# KiCad board FC_V5b.kicad_pcb (continued)
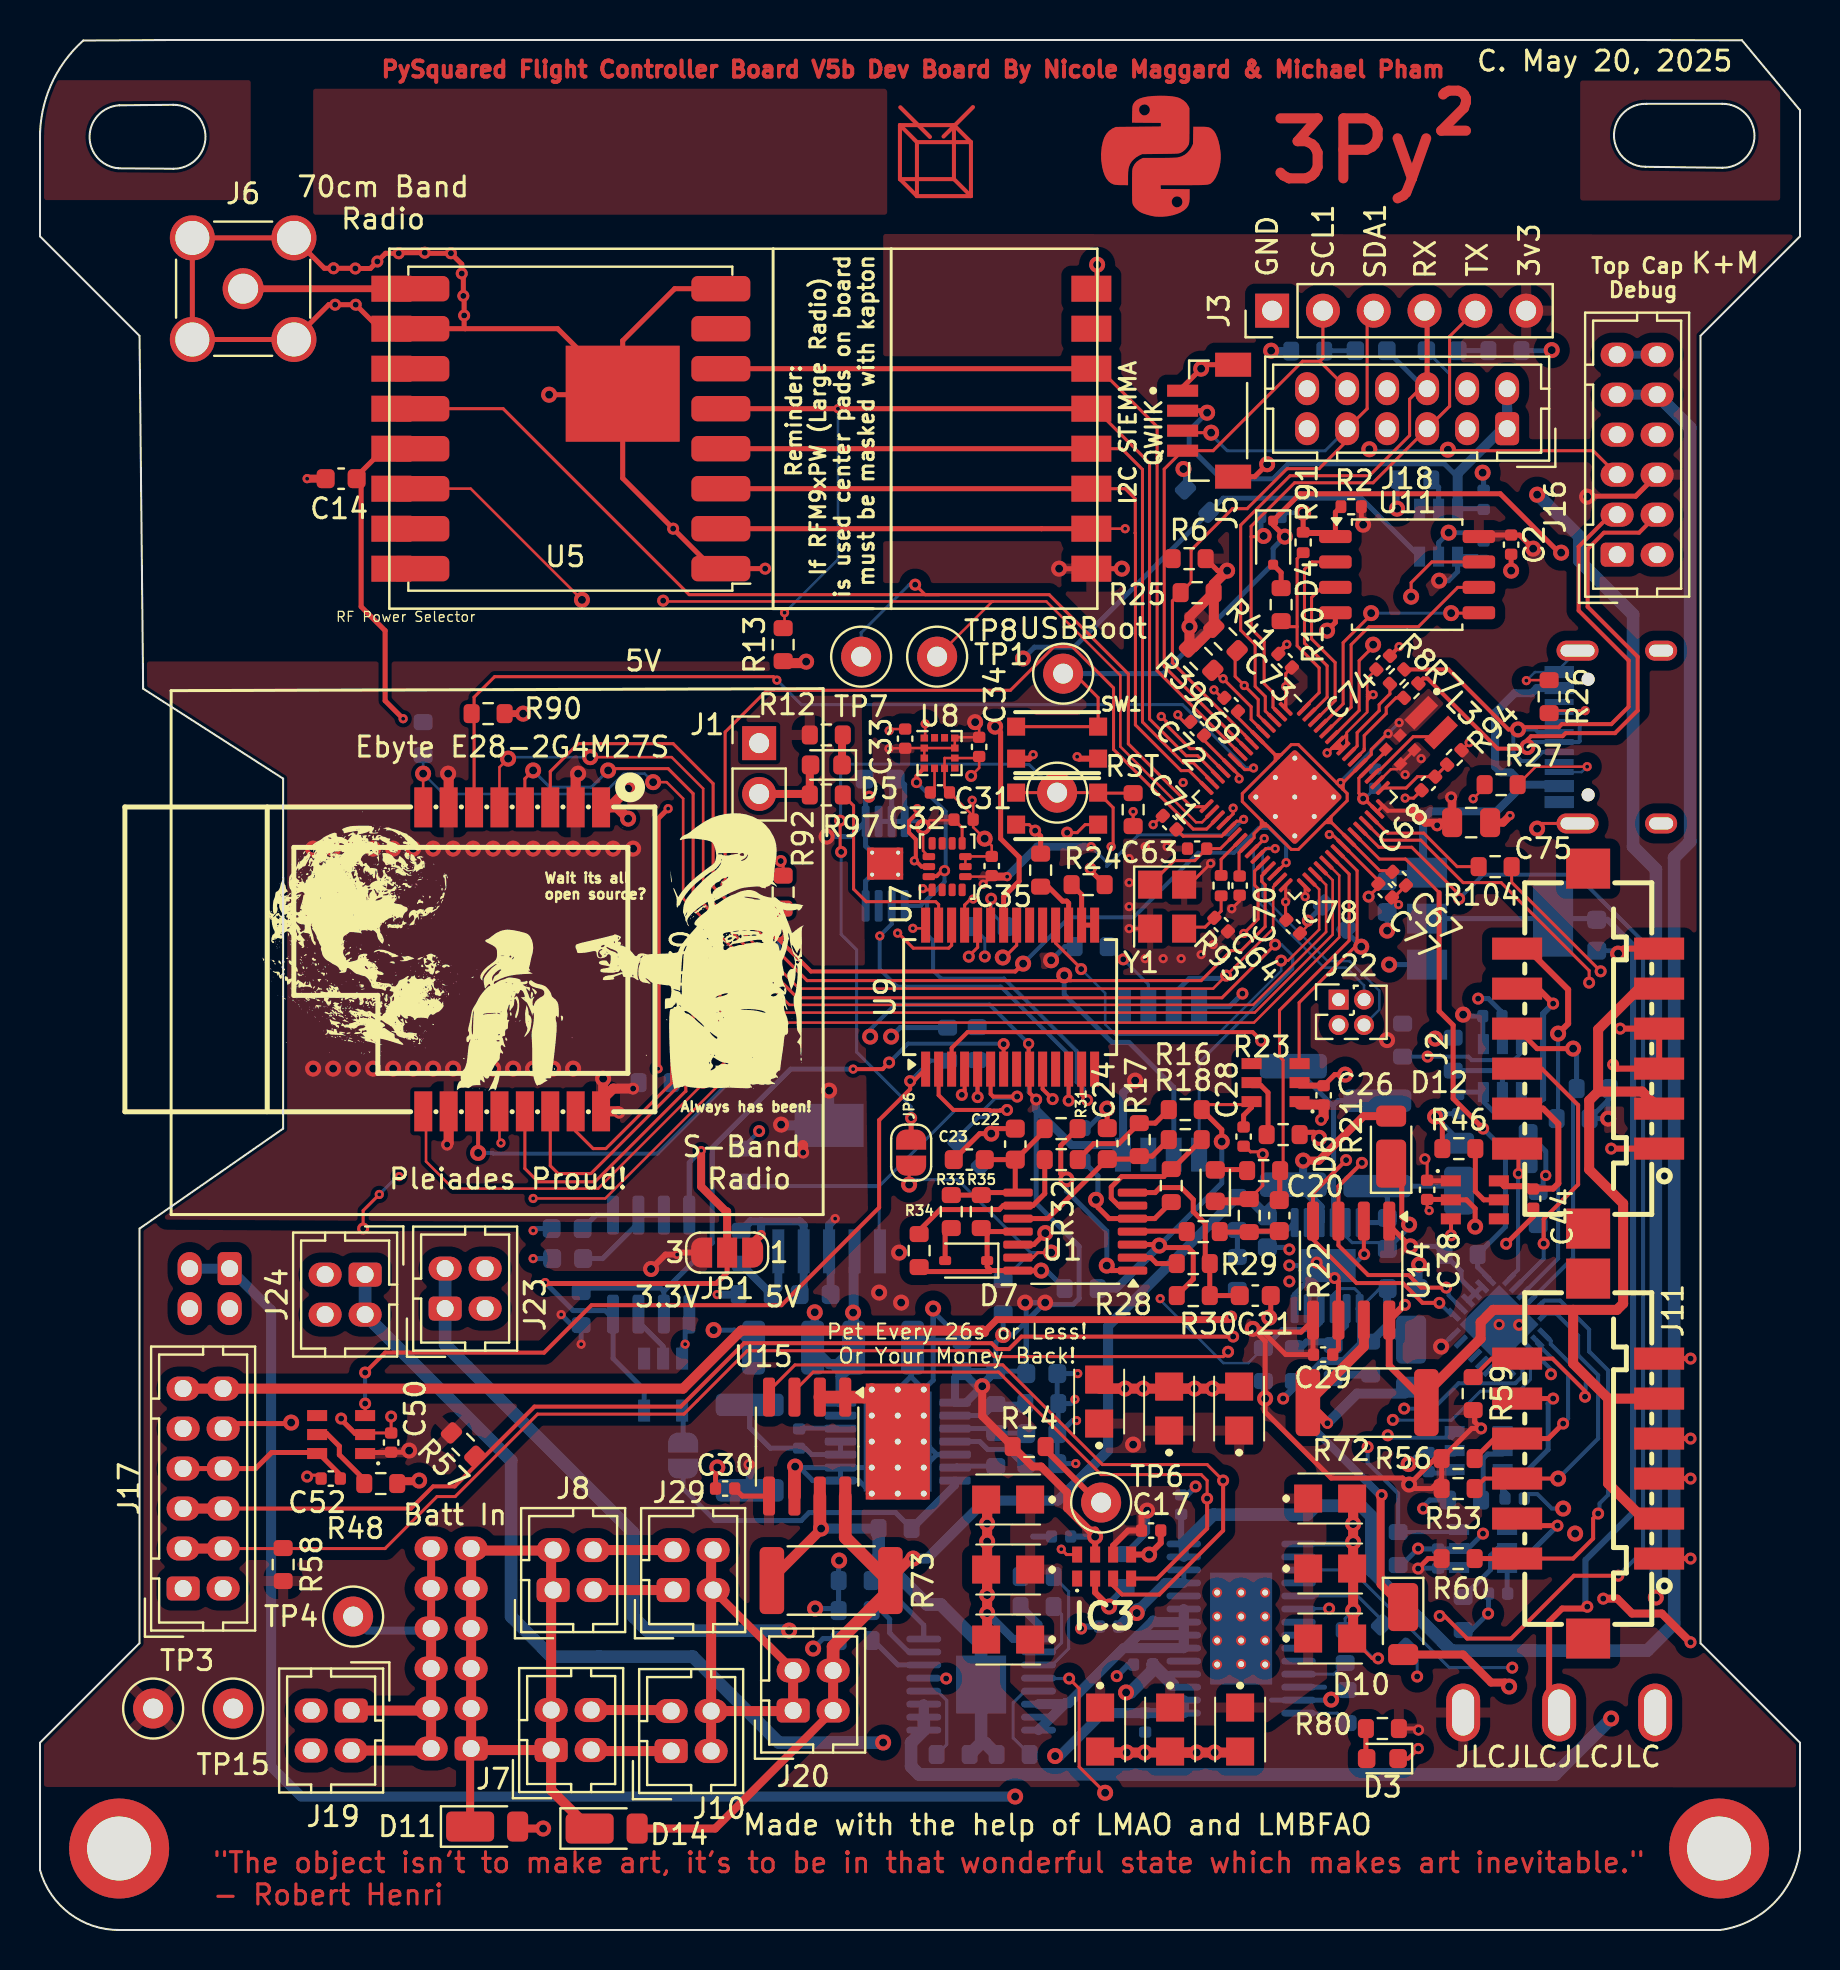
[diagram p0: board, top side]
## Library data of the parts (continued)
J2 J11 = -: LCSC Part: C17223851
J3 = -: ki_fp_filters: Connector*:*_1x??_*
J5 = -: MANUFACTURER: JST Sales America Inc.; MAXIMUM_PACKAGE_HEIGHT: 6.3 mm; PARTREV: N/A; STANDARD: Manufacturer Recommendations
J6 = -: LCSC: C3174425; ki_fp_filters: *BNC* *SMA* *SMB* *SMC* *Cinch* *LEMO*
J7 J8 J10 J19-J21 J23 J24 J29 = -: Description: Generic connector, double row, 02x02, odd/even pin numbering scheme (row 1 odd numbers, row 2 even numbers), script generated (kicad-library-utils/schlib/autogen/connector/); LCSC: C2692098; ki_fp_filters: Connector*:*_2x??_*
J12 = -: Datasheet: https://www.usb.org/sites/default/files/documents/usb_type-c.zip; Description: USB 2.0-only 16P Type-C Receptacle connector; ki_fp_filters: USB*C*Receptacle*
J14 J16 = -: Description: Generic connector, double row, 02x06, odd/even pin numbering scheme (row 1 odd numbers, row 2 even numbers), script generated (kicad-library-utils/schlib/autogen/connector/); ki_fp_filters: Connector*:*_2x??_*
J17 J18 = -: Description: Generic connector, double row, 02x06, odd/even pin numbering scheme (row 1 odd numbers, row 2 even numbers), script generated (kicad-library-utils/schlib/autogen/connector/); LCSC: C506658; ki_fp_filters: Connector*:*_2x??_*
J22 = -: Description: Generic connector, double row, 02x02, odd/even pin numbering scheme (row 1 odd numbers, row 2 even numbers), script generated (kicad-library-utils/schlib/autogen/connector/); ki_fp_filters: Connector*:*_2x??_*
JP1 = -: Description: Vertical Header - 0.1in (2.54mm); DNI: DNI; ki_fp_filters: Jumper* TestPoint*3Pads* TestPoint*Bridge*
JP2 JP6 = -: ki_fp_filters: SolderJumper*Open*
L1 = -: Description: 3.3uH Shielded Inductor; Flight: SPM5030T-3R3M-HZ; Manufacturer_Name: TAI-TECH; Manufacturer_Part_Number: HPC5040NF-3R3MTH; Proto: HPC5040NF-3R3MTH; ki_fp_filters: Choke_* *Coil* Inductor_* L_*
L2 = -: Datasheet: https://datasheet.lcsc.com/szlcsc/1910111502_3L-COILS-SNR5040K-330M_C326321.pdf; Description: 33uH Shielded Inductor; Flight: SLF6028T-330MR69-PF; Manufacturer_Name: 3L COILS; Manufacturer_Part_Number: SNR5040K-330M; Proto: SNR5040K-330M; ki_fp_filters: Choke_* *Coil* Inductor_* L_*
L3 = -: LCSC: C42411119; ki_fp_filters: Choke_* *Coil* Inductor_* L_*
R1 R5 R6 R11 R14 R24 R25 R39 R41 R42 R44 R45 R52 R53 R56-R62 R90 = -: Description: 100K 0603; LCSC: C25804
R2 = -: LCSC: C25744; ki_fp_filters: R_*
R3 R4 R10 R12 = -: Description: 100K 0603; LCSC: C21190
R7 R8 = -: Description: USB Termination Resistor
R9 = -: ki_fp_filters: R_*
R13 = -: Description: 10k 0603; LCSC: C25804
R15 R70 = -: Description: 100K 0603; LCSC: C25804; ki_fp_filters: R_*
R16-R18 R22 R28 R124 = -: Description: 10 kOhms ±1% 0.1W, 1/10W Chip Resistor 0603 (1608 Metric) Automotive AEC-Q200 Thick Film; DPN: RMCF0603FT10K0CT-ND; DST: Digi-Key; MFR: Stackpole Electronics Inc; MPN: RMCF0603FT10K0; LCSC: C25804; ki_fp_filters: R_*
R19-R21 = -: Description: 3 kOhms ±1% 0.1W, 1/10W Chip Resistor 0603 (1608 Metric) Automotive AEC-Q200 Thick Film; DPN: RMCF0603FT3K00CT-ND; DST: Digi-Key; MFR: Stackpole Electronics Inc; MPN: RMCF0603FT3K00; ki_fp_filters: R_*
R23 R46-R51 = -: Description: 47 kOhms ±1% 0.1W, 1/10W Chip Resistor 0603 (1608 Metric) Automotive AEC-Q200 Thick Film; DPN: RMCF0603FT47K0CT-ND; DST: Digi-Key; MFR: Stackpole Electronics Inc; MPN: RMCF0603FT47K0; LCSC: C25819; ki_fp_filters: R_*
R26 R27 = -: Description: 5.1k 0603; LCSC: C23186
R29 R31 = -: Description: 1 kOhms ±1% 0.1W, 1/10W Chip Resistor 0603 (1608 Metric) Automotive AEC-Q200 Thick Film; DPN: RMCF0603FT1K00CT-ND; DST: Digi-Key; MFR: Stackpole Electronics Inc; MPN: RMCF0603FT1K00; LCSC: C21190; ki_fp_filters: R_*
R30 R32-R34 R36 R37 = -: Description: 100 kOhms ±5% 0.1W, 1/10W Chip Resistor 0603 (1608 Metric) Automotive AEC-Q200 Thick Film; DPN: RMCF0603FT100KCT-ND; DST: Digi-Key; MFR: Stackpole Electronics Inc; MPN: RMCF0603FT100K; LCSC: C25803; ki_fp_filters: R_*
R35 = -: Description: 4.7 MOhms ±1% 0.1W, 1/10W Chip Resistor 0603 (1608 Metric) Automotive AEC-Q200 Thick Film; DPN: RMCF0603FT4M70CT-ND; DST: Digi-Key; MFR: Stackpole Electronics Inc; MPN: RMCF0603FT4M70; ki_fp_filters: R_*
R38 = -: Description: 73.2K 0603
R40 = -: Description: 22.1K 0603
R43 = -: Description: 100K 0603
R54 R55 R82 R85 = -: Description: 15k 0603; LCSC: C22809
R63 R89 = -: Description: 10K 0603; LCSC: C25804; ki_fp_filters: R_*
R64 = -: Description: 3.3K 0603; ki_fp_filters: R_*
R65 = -: Description: 200K 0603; ki_fp_filters: R_*
R66-R68 R76-R80 R86 R92 R95-R97 = -: Description: 787K 0603; LCSC: C25803
R69 R71 R74 R75 = -: Description: 787K 0603
R72 R73 = -: Description: 0.1 1% 2W 2512
R81 = -: Description: 1k 0603; LCSC: C21190
R83 R84 = -: Description: 10k 0603
R91 = -: LCSC: C17168; ki_fp_filters: R_*
R93 = -: LCSC: C11702; ki_fp_filters: R_*
R94 = -: LCSC: C25105; ki_fp_filters: R_*
R100 R103 R104 = -: Description: 4.7K 0603; LCSC: C23162
R101 = -: Description: 100K 0603; LCSC: C25803
R102 = -: Description: 1K 0603; LCSC: C21190
SW3 = -: Datasheet: https://wmsc.lcsc.com/wmsc/upload/file/pdf/v2/lcsc/2108201830_SHOU-HAN-SS12D10G4-071_C2887259.pdf; Description: Momentary Switch, single pole double throw
TP1-TP4 TP6-TP8 TP15 = -: ki_fp_filters: Pin* Test*
U1 = -: Datasheet: https://www.ti.com/lit/ds/symlink/tlv1704-sep.pdf; Description: Analog Comparators 2.2-V to 36-V, radiation tolerant microPower quad comparator in space enhanced plastic 14-TSSOP -55 to 125; MFR: Texas Instruments; MPN: TLV1704AQPWRQ1; DST: Digi-Key; DPN: 296-43799-2-ND; ki_fp_filters: SOIC*3.9x8.7mm*P1.27mm* TSSOP*4.4x5mm*P0.65mm*
U2 = -: Description: http://www.zettadevice.com/upload/file/pdf/Zetta%20SD%20Nand%20DS.pdf; LCSC Part: C2875854
U3 U19 U21-U24 U29 = -: LCSC: C1511768
U4 = -: Description: 433 MHz 1W Radio; Manufacturer_Name: HopeRF; Field8: RADIO 2
U5 = -: DNI: DNI
U6 = -: Datasheet: https://lcsc.com/product-detail/New-Arrivals_Texas-Instruments-Texas-Instruments-TPS4H160AQPWPRQ1_C485918.html; Description: Quad channel automotive load switch; LCSC Part: C485918
U7 = -: Datasheet: https://www.st.com/resource/en/datasheet/lsm6dso.pdf; ki_fp_filters: LGA-14L_2P5X3X0P86_STM LGA-14L_2P5X3X0P86_STM-M LGA-14L_2P5X3X0P86_STM-L
U8 = -: Datasheet: https://www.st.com/resource/en/datasheet/lis2mdl.pdf; ki_fp_filters: SON_03AGRTR_STM SON_03AGRTR_STM-M SON_03AGRTR_STM-L
U9 = -: Datasheet: https://ww1.microchip.com/downloads/aemDocuments/documents/APID/ProductDocuments/DataSheets/MCP23017-Data-Sheet-DS20001952.pdf; Description: 16-bit I/O expander, I2C, interrupts, w pull-ups, SSOP-28; LCSC: C558584; ki_fp_filters: SSOP*5.3x10.2mm*P0.65mm*
U10 = -: Datasheet: https://www.ti.com/lit/gpn/tps54226; Description: 3.3V Switching Regulator; Flight: TPS54226PWPR; Manufacturer_Name: Texas Instruments; Manufacturer_Part_Number: TPS54226PWPR; Proto: TPS54226PWPR
U11 = -: Datasheet: http://www.winbond.com/resource-files/w25q128jv_dtr%20revc%2003272018%20plus.pdf; LCSC: C97521; ki_fp_filters: SOIC*5.23x5.23mm*P1.27mm*
U12 = -: MF: Texas Instruments; Description_1: Automotive 8-channel 1.65- to 5.25v I2C/SMBus switch with reset & voltage translation; COPYRIGHT: Copyright (C) 2024 Ultra Librarian. All rights reserved.; Package: VQFN-24 Texas Instruments; Price: None; Check_prices: https://www.snapeda.com/parts/TCA9548ARGERQ1/Texas+Instruments/view-part/?ref=eda; Availability: In Stock; SnapEDA_Link: https://www.snapeda.com/parts/TCA9548ARGERQ1/Texas+Instruments/view-part/?ref=snap; MFR_NAME: Texas Instruments
U13 = -: Datasheet: https://www.ti.com/lit/gpn/tps7a45; Description: Adjustable LDO; Manufacturer_Name: Texas Instruments
U14 U15 = -: Datasheet: http://www.ti.com/lit/ds/symlink/ina219.pdf; ki_fp_filters: SOIC*3.9x4.9mm*P1.27mm*
U16 = -: Datasheet: http://ww1.microchip.com/downloads/en/DeviceDoc/MCP9808-0.5C-Maximum-Accuracy-Digital-Temperature-Sensor-Data-Sheet-DS20005095B.pdf; ki_fp_filters: DFN*1EP*3x2mm*P0.5mm*
U17 = -: Datasheet: https://www.ti.com/lit/ds/symlink/lmc555.pdf; Description: CMOS Timer, 555 compatible, SOIC-8; ki_fp_filters: SOIC*3.9x4.9mm*P1.27mm*
U18 = -: Datasheet: https://datasheets.raspberrypi.com/rp2350/rp2350-datasheet.pdf; LCSC: C42411118
U20 = -: Datasheet: https://www.ti.com/lit/ds/symlink/sn74lvc1g04.pdf; Description: Single NOT Gate, Low-Voltage CMOS; ki_fp_filters: SOT?23* Texas?R-PDSO-G5?DCK* Texas?R-PDSO-N5?DRL* Texas?X2SON*0.8x0.8mm*P0.48mm*
U25 = -: Datasheet: https://www.ti.com/lit/ds/symlink/tps2hb50-q1.pdf?ts=1747428220473&ref_url=https%253A%252F%252Fwww.ti.com%252Fproduct%252FTPS2HB50-Q1%252Fpart-details%252FTPS2HB50AQPWPRQ1%253FkeyMatch%253DTPS2HB50AQPWPRQ1%2526tisearch%253Duniversal_search%2526usecase%253DOPN; LCSC Part: C1857514
U30 = -: Datasheet: https://lcsc.com/product-detail/Wireless-Modules_Chengdu-Ebyte-Elec-Tech-E28-2G4M27S_C411312.html; LCSC Part: C411312
Y1 = -: LCSC: C20625731; ki_fp_filters: Crystal*

## Footprints (pads in the part's own frame, mm; a bottom-side part is the same pattern mirrored in y, then rotated)
BTN_KMR2_4.6X2.8
  rect 0.9x0.9 smd: A(2.05,0.8) A'(-2.05,0.8) B(2.05,-0.8) B'(-2.05,-0.8)
C_0402_1005Metric
  rrect 0.56x0.62 smd: 1(-0.48,0) 2(0.48,0)
C_0402_1005Metric_small_pads
  rect 0.47x0.53 smd: 1(-0.515,0) 2(0.515,0)
C_0603_1608Metric
  rrect 0.9x0.95 smd: 1(-0.775,0) 2(0.775,0)
C_0805_2012Metric
  rrect 1x1.45 smd: 1(-0.95,0) 2(0.95,0)
C_1210_3225Metric
  rrect 1.15x2.7 smd: 1(-1.475,0) 2(1.475,0)
CONN-SMD_12P-P2.00_DF11CZ-12DP
  rect 1.1x2.5 smd: 1(-5,-3.55) 2(-5,3.55) 3(-3,-3.55) 4(-3,3.55) 5(-1,-3.55) 6(-1,3.55) 7(1,-3.55) 8(1,3.55) 9(3,-3.55) 10(3,3.55) 11(5,-3.55) 12(5,3.55)
  rect 2x2.2 smd: 13(9,0) 14(-9,0)
CPH3225A
  rect 1.4x1.4 smd: 1(-0.8,0.3) 2(1.4,0.3)
Crystal_SMD_3225-4Pin_3.2x2.5mm
  rect 1.4x1.2 smd: 1(-1.1,-0.85) 2(1.1,-0.85) 3(1.1,0.85) 4(-1.1,0.85)
D_PowerDI-123
  rrect 2.4x1.5 smd: 1(-0.85,0)
  rrect 1.05x1.5 smd: 2(1.525,0)
D_SOD-323
  rrect 0.6x0.45 smd: 1(-1.05,0) 2(1.05,0)
D_SOD-323F
  rrect 0.5x0.5 smd: 1(-1.1,0) 2(1.1,0)
Hirose_DF11-4DP-2DSA_2x02_P2.00mm_Vertical
  rrect 1.2x1.65 hole 0.85: 1(0,0)
  oval 1.2x1.65 hole 0.85: 2(0,-2) 3(2,0) 4(2,-2)
Hirose_DF11-12DP-2DSA_2x06_P2.00mm_Vertical
  rrect 1.2x1.65 hole 0.85: 1(0,0)
  oval 1.2x1.65 hole 0.85: 2(0,-2) 3(2,0) 4(2,-2) 5(4,0) 6(4,-2) 7(6,0) 8(6,-2) 9(8,0) 10(8,-2) 11(10,0) 12(10,-2)
HOPERF_RFM9XW_SMD
  rrect 2.95x1.27 smd: 1(-7.525,7) 2(-7.525,5) 3(-7.525,3) 4(-7.525,1) 5(-7.525,-1) 6(-7.525,-3) 7(-7.525,-5) 8(-7.525,-7) 9(7.525,-7) 10(7.525,-5) 11(7.525,-3) 12(7.525,-1) 13(7.525,1) 14(7.525,3) 15(7.525,5) 16(7.525,7)
HTSSOP-14-1EP_4.4x5mm_P0.65mm_EP3.4x5mm_Mask3x3.1mm_ThermalVias
  rrect 1.21x1.25 smd: (-0.75,-0.775) (-0.75,0.775) (0.75,-0.775) (0.75,0.775)
  rect 3x3.1 smd: (0,0)
  rrect 1.575x0.4 smd: 1(-2.862,1.95) 2(-2.862,1.3) 3(-2.862,0.65) 4(-2.862,0) 5(-2.862,-0.65) 6(-2.862,-1.3) 7(-2.862,-1.95) 8(2.862,-1.95) 9(2.862,-1.3) 10(2.862,-0.65) 11(2.862,0) 12(2.862,0.65) 13(2.862,1.3) 14(2.862,1.95)
  round 0.6 hole 0.3: 15(-1.3,-2.6) 15(-1.3,-1.3) 15(-1.3,0) 15(-1.3,1.3) 15(-1.3,2.6) 15(0,-2.6) 15(0,-1.3) 15(0,0) 15(0,1.3) 15(0,2.6) 15(1.3,-2.6) 15(1.3,-1.3) 15(1.3,0) 15(1.3,1.3) 15(1.3,2.6)
  rect 3.2x5.8 smd far side: 15(0,0)
  rect 3.4x5 smd: 15(0,0)
HTSSOP-16_L5.0-W4.4-P0.65-LS6.4-BL-EP-2
  oval 0.34x1.75 smd: 1(-2.28,-2.87) 2(-1.63,-2.87) 3(-0.98,-2.87) 4(-0.32,-2.87) 5(0.33,-2.87) 6(0.98,-2.87) 7(1.63,-2.87) 8(2.28,-2.87) 9(2.28,2.87) 10(1.63,2.87) 11(0.98,2.87) 12(0.33,2.87) 13(-0.32,2.87) 14(-0.98,2.87) 15(-1.63,2.87) 16(-2.28,2.87)
  rect 2.9x2.5 smd: 17(0,0)
HTSSOP-28_L9.7-W4.4-P0.65-LS6.4-BL-EP
  oval 0.34x1.73 smd: 1(-4.23,-2.87) 2(-3.58,-2.87) 3(-2.93,-2.87) 4(-2.28,-2.87) 5(-1.63,-2.87) 6(-0.98,-2.87) 7(-0.32,-2.87) 8(0.33,-2.87) 9(0.98,-2.87) 10(1.63,-2.87) 11(2.28,-2.87) 12(2.93,-2.87) 13(3.58,-2.87) 14(4.23,-2.87) 15(4.23,2.87) 16(3.58,2.87) 17(2.93,2.87) 18(2.28,2.87) 19(1.63,2.87) 20(0.98,2.87) 21(0.33,2.87) 22(-0.32,2.87) 23(-0.98,2.87) 24(-1.63,2.87) 25(-2.28,2.87) 26(-2.93,2.87) 27(-3.58,2.87) 28(-4.23,2.87)
  round 0.5 hole 0.3: 29(-1.8,-1.2) 29(-1.8,0) 29(-1.8,1.2) 29(-0.6,-1.2) 29(-0.6,0) 29(-0.6,1.2) 29(0.6,-1.2) 29(0.6,0) 29(0.6,1.2) 29(1.78,0) 29(1.8,-1.2) 29(1.8,1.2)
  rect 5.6x3.1 smd: 29(0,0)
JST_BM04B-SRSS-TB(LF)(SN)
  rect 0.6x1.55 smd: 1(-1.5,-2.525) 2(-0.5,-2.525) 3(0.5,-2.525) 4(1.5,-2.525)
  rect 1.2x1.8 smd: S1(-2.8,0) S2(2.8,0)
L_1812_4532Metric
  rrect 1.125x3.4 smd: 1(-2.138,0) 2(2.138,0)
L_pol_2016
  rect 0.7x1.7 smd: 1(-0.7,0) 2(0.7,0)
LED_0603_1608Metric
  rrect 0.875x0.95 smd: 1(-0.788,0) 2(0.788,0)
LGA-8_L8.0-W6.0-P1.27-TL-1
  rect 1.7x0.8 smd: 1(-3.7,1.91) 2(-3.7,0.64) 3(-3.7,-0.63) 4(-3.7,-1.9) 5(3.7,-1.9) 6(3.7,-0.63) 7(3.7,0.64) 8(3.7,1.91)
LGA-12_2x2mm_P0.5mm
  rect 0.375x0.35 smd: 1(-0.762,0.75) 2(-0.762,0.25) 3(-0.762,-0.25) 4(-0.762,-0.75) 7(0.762,-0.75) 8(0.762,-0.25) 9(0.762,0.25) 10(0.762,0.75)
  rect 0.35x0.375 smd: 5(-0.25,-0.762) 6(0.25,-0.762) 11(0.25,0.762) 12(-0.25,0.762)
LGA-14_3x2.5mm_P0.5mm_LayoutBorder3x4y
  rrect 0.625x0.35 smd: 1(-1.163,0.75) 2(-1.163,0.25) 3(-1.163,-0.25) 4(-1.163,-0.75) 8(1.163,-0.75) 9(1.163,-0.25) 10(1.163,0.25) 11(1.163,0.75)
  rrect 0.35x0.625 smd: 5(-0.5,-0.912) 6(0,-0.912) 7(0.5,-0.912) 12(0.5,0.912) 13(0,0.912) 14(-0.5,0.912)
MSOP-8-1EP_3x3mm_P0.65mm_EP1.5x1.8mm_ThermalVias
  rrect 0.63x0.75 smd: (-0.375,-0.45) (-0.375,0.45) (0.375,-0.45) (0.375,0.45)
  rrect 1.575x0.4 smd: 1(-2.112,0.975) 2(-2.112,0.325) 3(-2.112,-0.325) 4(-2.112,-0.975) 5(2.112,-0.975) 6(2.112,-0.325) 7(2.112,0.325) 8(2.112,0.975)
  round 0.5 hole 0.2: 9(-0.55,-0.65) 9(-0.55,0.65) 9(0.55,-0.65) 9(0.55,0.65)
  rect 1.5x1.8 smd: 9(0,0)
  rect 1.6x1.8 smd far side: 9(0,0)
MSOP-12-1EP_3x4mm_P0.65mm_EP1.65x2.85mm
  rrect 0.67x1.15 smd: (-0.41,-0.71) (-0.41,0.71) (0.41,-0.71) (0.41,0.71)
  rrect 1.45x0.4 smd: 1(-2.15,1.625) 2(-2.15,0.975) 3(-2.15,0.325) 4(-2.15,-0.325) 5(-2.15,-0.975) 6(-2.15,-1.625) 7(2.15,-1.625) 8(2.15,-0.975) 9(2.15,-0.325) 10(2.15,0.325) 11(2.15,0.975) 12(2.15,1.625)
  rect 1.65x2.85 smd: 13(0,0)
PinHeader_1x02_P2.54mm_Vertical
  rect 1.7x1.7 hole 1: 1(0,0)
  oval 1.7x1.7 hole 1: 2(0,-2.54)
PinHeader_1x06_P2.54mm_Vertical
  rect 1.7x1.7 hole 1: 1(0,0)
  oval 1.7x1.7 hole 1: 2(0,-2.54) 3(0,-5.08) 4(0,-7.62) 5(0,-10.16) 6(0,-12.7)
PinHeader_2x02_P1.27mm_Vertical
  rect 1x1 hole 0.65: 1(0,0)
  oval 1x1 hole 0.65: 2(1.27,0) 3(0,-1.27) 4(1.27,-1.27)
QFN_GERQ1_TEX
  rect 0.783x0.255 smd: 1(-1.953,1.25) 2(-1.953,0.75) 3(-1.953,0.25) 4(-1.953,-0.25) 5(-1.953,-0.75) 6(-1.953,-1.25) 13(1.953,-1.25) 14(1.953,-0.75) 15(1.953,-0.25) 16(1.953,0.25) 17(1.953,0.75) 18(1.953,1.25)
  rect 0.255x0.783 smd: 7(-1.25,-1.953) 8(-0.75,-1.953) 9(-0.25,-1.953) 10(0.25,-1.953) 11(0.75,-1.953) 12(1.25,-1.953) 19(1.25,1.953) 20(0.75,1.953) 21(0.25,1.953) 22(-0.25,1.953) 23(-0.75,1.953) 24(-1.25,1.953)
  rect 2.794x2.794 smd: 25(0,0)
R_0402_1005Metric
  rrect 0.54x0.64 smd: 1(-0.51,0) 2(0.51,0)
R_0603_1608Metric
  rrect 0.8x0.95 smd: 1(-0.825,0) 2(0.825,0)
R_2512_6332Metric
  rrect 1.225x3.35 smd: 1(-2.962,0) 2(2.962,0)
RFM98PW
  rect 2x1.3 smd: 1(17.6,-7.5) 2(17.6,-5.5) 3(17.6,-3.5) 4(17.6,-1.5) 5(17.6,0.5) 6(17.6,2.5) 7(17.6,4.5) 8(17.6,6.5) 9(-17.4,6.5) 10(-17.4,4.5) 11(-17.4,2.5) 12(-17.4,0.5) 13(-17.4,-1.5) 14(-17.4,-3.5) 15(-17.4,-5.5) 16(-17.4,-7.5)
  rect 5.7x4.8 smd: 17(6.032,-2.25)
RP2350-QFN-60-1EP_7x7_P0.4mm_EP3.4x3.4mm_ThermalVias
  rrect 1.2x1.2 smd: (-0.7,0.7) (-0.7,-0.7) (0.7,0.7) (0.7,-0.7)
  rrect 0.875x0.2 smd: 1(-3.438,2.8) 2(-3.438,2.4) 3(-3.438,2) 4(-3.438,1.6) 5(-3.438,1.2) 6(-3.438,0.8) 7(-3.438,0.4) 8(-3.438,0) 9(-3.438,-0.4) 10(-3.438,-0.8) 11(-3.438,-1.2) 12(-3.438,-1.6) 13(-3.438,-2) 14(-3.438,-2.4) 15(-3.438,-2.8) 31(3.438,-2.8) 32(3.438,-2.4) 33(3.438,-2) 34(3.438,-1.6) 35(3.438,-1.2) 36(3.438,-0.8) 37(3.438,-0.4) 38(3.438,0) 39(3.438,0.4) 40(3.438,0.8) 41(3.438,1.2) 42(3.438,1.6) 43(3.438,2) 44(3.438,2.4) 45(3.438,2.8)
  rrect 0.2x0.875 smd: 16(-2.8,-3.438) 17(-2.4,-3.438) 18(-2,-3.438) 19(-1.6,-3.438) 20(-1.2,-3.438) 21(-0.8,-3.438) 22(-0.4,-3.438) 23(0,-3.438) 24(0.4,-3.438) 25(0.8,-3.438) 26(1.2,-3.438) 27(1.6,-3.438) 28(2,-3.438) 29(2.4,-3.438) 30(2.8,-3.438) 46(2.8,3.438) 47(2.4,3.438) 48(2,3.438) 49(1.6,3.438) 50(1.2,3.438) 51(0.8,3.438) 52(0.4,3.438) 53(0,3.438) 54(-0.4,3.438) 55(-0.8,3.438) 56(-1.2,3.438) 57(-1.6,3.438) 58(-2,3.438) 59(-2.4,3.438) 60(-2.8,3.438)
  round 0.6 hole 0.25: 61(-1.375,1.375) 61(-1.375,0) 61(-1.375,-1.375) 61(0,1.375) 61(0,0) 61(0,-1.375) 61(1.375,1.375) 61(1.375,0) 61(1.375,-1.375)
  rrect 3.4x3.4 smd: 61(0,0)
RV3028C7
  rect 0.5x0.8 smd: 1(-1.35,-0.6) 2(-0.45,-0.6) 3(0.45,-0.6) 4(1.35,-0.6) 5(1.35,0.6) 6(0.45,0.6) 7(-0.45,0.6) 8(-1.35,0.6)
SMA_Amphenol_901-144_Vertical
  round 2.05 hole 1.5: 1(0,0)
  round 2.25 hole 1.7: 2(-2.54,2.54) 2(-2.54,-2.54) 2(2.54,2.54) 2(2.54,-2.54)
SOIC-8_3.9x4.9mm_P1.27mm
  rrect 1.95x0.6 smd: 1(-2.475,1.905) 2(-2.475,0.635) 3(-2.475,-0.635) 4(-2.475,-1.905) 5(2.475,-1.905) 6(2.475,-0.635) 7(2.475,0.635) 8(2.475,1.905)
SOIC-8_5.3x5.3mm_P1.27mm
  rrect 1.625x0.65 smd: 1(-3.587,1.905) 2(-3.587,0.635) 3(-3.587,-0.635) 4(-3.587,-1.905) 5(3.587,-1.905) 6(3.587,-0.635) 7(3.587,0.635) 8(3.587,1.905)
SolderJumper-2_P1.3mm_Open_RoundedPad1.0x1.5mm
  custom 1x1.5 smd: 1(-0.65,0) 2(0.65,0)
SolderJumper-3_P1.3mm_Open_RoundedPad1.0x1.5mm_NumberLabels
  custom 1.05x1.5 smd: 1(-1.3,0) 3(1.3,0)
  rect 1x1.5 smd: 2(0,0)
SOT26
  rect 0.55x1 smd: 1(-0.95,-1.2) 2(0,-1.2) 3(0.95,-1.2) 4(0.95,1.2) 5(0,1.2) 6(-0.95,1.2)
SOT-23-5_L3.0-W1.7-P0.95-LS2.8-BR
  rect 1.1x0.6 smd: 1(1.3,-0.95) 2(1.3,0) 3(1.3,0.95) 4(-1.3,0.95) 5(-1.3,-0.95)
SOT-223
  rect 2x1.5 smd: 1(-3.15,2.3) 2(-3.15,0) 3(-3.15,-2.3)
  rect 2x3.8 smd: 4(3.15,0)
SOT-223-6
  rect 2.2x0.6 smd: 1(-3.138,2.54) 2(-3.138,1.27) 3(-3.138,0) 4(-3.138,-1.27) 5(-3.138,-2.54)
  rect 2.15x3.45 smd: 6(3.163,0)
SSOP-28_5.3x10.2mm_P0.65mm
  rect 1.75x0.45 smd: 1(-3.6,4.225) 2(-3.6,3.575) 3(-3.6,2.925) 4(-3.6,2.275) 5(-3.6,1.625) 6(-3.6,0.975) 7(-3.6,0.325) 8(-3.6,-0.325) 9(-3.6,-0.975) 10(-3.6,-1.625) 11(-3.6,-2.275) 12(-3.6,-2.925) 13(-3.6,-3.575) 14(-3.6,-4.225) 15(3.6,-4.225) 16(3.6,-3.575) 17(3.6,-2.925) 18(3.6,-2.275) 19(3.6,-1.625) 20(3.6,-0.975) 21(3.6,-0.325) 22(3.6,0.325) 23(3.6,0.975) 24(3.6,1.625) 25(3.6,2.275) 26(3.6,2.925) 27(3.6,3.575) 28(3.6,4.225)
SW-TH_SHOU-HAN_SS12D10G4
  oval 1.7x2.9 hole 1.1x2.3: 1(-4.8,0) 2(0,0) 3(4.8,0)
TestPoint_Loop_D1.80mm_Drill1.0mm_Beaded
  round 2 hole 1: 1(0,0)
TSSOP-14_4.4x5mm_P0.65mm
  rrect 1.475x0.4 smd: 1(-2.862,1.95) 2(-2.862,1.3) 3(-2.862,0.65) 4(-2.862,0) 5(-2.862,-0.65) 6(-2.862,-1.3) 7(-2.862,-1.95) 8(2.862,-1.95) 9(2.862,-1.3) 10(2.862,-0.65) 11(2.862,0) 12(2.862,0.65) 13(2.862,1.3) 14(2.862,1.95)
unnamed
  round 5 hole 3.2: 1(0,0)
USB_C_Receptacle_HRO_TYPE-C-31-M-12
  round 0.65 hole 0.65 unplated: (-2.89,2.6) (2.89,2.6)
  rect 0.6x1.45 smd: A1(-3.25,4.045) A4(-2.45,4.045) A9(2.45,4.045) A12(3.25,4.045) B1(3.25,4.045) B4(2.45,4.045) B9(-2.45,4.045) B12(-3.25,4.045)
  rect 0.3x1.45 smd: A5(-1.25,4.045) A6(-0.25,4.045) A7(0.25,4.045) A8(1.25,4.045) B5(1.75,4.045) B6(0.75,4.045) B7(-0.75,4.045) B8(-1.75,4.045)
  oval 1x1.6 hole 0.6x1.2: S1(-4.32,-1.05) S1(4.32,-1.05)
  oval 1x2.1 hole 0.6x1.7: S1(-4.32,3.13) S1(4.32,3.13)
WIRELM-SMD_E28-2G4M2XS
  rect 2x0.9 smd: 1(-7.6,4.45) 2(-7.6,3.18) 3(-7.6,1.91) 4(-7.6,0.64) 5(-7.6,-0.63) 6(-7.6,-1.9) 7(-7.6,-3.17) 8(-7.6,-4.44) 9(7.6,-4.44) 10(7.6,-3.17) 11(7.6,-1.9) 12(7.6,-0.63) 13(7.6,0.64) 14(7.6,1.91) 15(7.6,3.18) 16(7.6,4.45)

## Nets
3.3V: C2.1 C15.2 C16.2 C18.1 C26.1 C29.2 C30.2 C32.1 C33.1 C34.1 C35.1 C38.1 C43.1 C47.1 C49.1 C50.1 C53.1 C65.1 C71.1 C72.1 C73.1 C74.1 C75.1 C76.1 C77.1 C78.1 C79.1 IC3.7 J1.1 J3.6 J16.6 JP1.3 L1.2 R1.1 R2.1 R6.2 R11.2 R13.1 R14.2 R15.1 R25.2 R37.2 R38.2 R39.2 R41.2 R42.2 R44.2 R45.2 R53.2 R56.2 R57.2 R58.2 R59.2 R60.2 R61.2 R62.2 R70.1 R80.1 R89.1 R90.2 R92.1 R94.1 SW3.1 TP3.1 U2.8 U3.1 U4.9 U7.1 U7.5 U7.8 U7.12 U8.2 U8.3 U8.9 U8.10 U9.9 U10.1 U11.8 U12.18 U12.21 U12.22 U12.23 U14.1 U14.5 U15.5 U16.6 U16.7 U16.8 U18.1 U18.11 U18.20 U18.30 U18.38 U18.44 U18.45 U18.49 U18.53 U18.54 U19.1 U21.1 U22.1 U23.1 U24.1 U29.1 U30.1
+1V1: C66.1 C67.1 C69.1 C70.1 L3.1 U18.6 U18.23 U18.39 U18.50
/3v3 Spec: C13.1 IC2.2 IC2.4 SW3.2
GND: C2.2 C12.2 C13.2 C14.1 C15.1 C16.1 C17.2 C18.2 C19.2 C21.1 C22.1 C23.1 C24.1 C25.2 C26.2 C28.2 C29.1 C30.1 C31.2 C32.2 C33.2 C34.2 C35.2 C36.2 C37.2 C38.2 C39.1 C40.2 C42.2 C43.2 C44.2 C45.2 C46.2 C47.2 C48.2 C49.2 C50.2 C51.2 C52.2 C53.2 C54.2 C55.2 C56.2 C57.2 C58.2 C63.2 C64.2 C65.2 C66.2 C67.2 C68.2 C69.2 C70.2 C71.2 C72.2 C73.2 C74.2 C75.2 C76.2 C77.2 C78.2 C79.2 C80.2 C1017.2 C1018.2 C1019.2 C1020.2 C1021.2 C1022.2 C1023.2 C1024.2 C1025.2 C1026.2 C1027.2 C1028.2 D3.1 D6.1 D13.2 IC2.1 IC3.5 IC6.6 IC6.13 J2.1 J2.5 J2.7 J2.11 J3.1 J5.1 J5.S1 J5.S2 J6.2 J11.1 J11.5 J11.7 J11.11 J12.A1 J12.A12 J12.B1 J12.B12 J12.S1 J16.11 J16.12 J17.9 J17.10 J18.3 J18.4 J18.11 J18.12 J19.2 J19.4 J21.2 J21.4 J22.3 J23.2 J23.4 J24.2 J24.4 R3.2 R4.2 R12.2 R20.2 R22.2 R23.1 R24.1 R26.1 R27.1 R40.1 R46.1 R47.1 R48.1 R49.1 R50.1 R51.1 R52.1 R54.1 R55.2 R64.2 R67.1 R68.1 R69.1 R74.1 R76.1 R77.1 R78.1 R79.1 R81.2 R82.1 R85.1 R86.1 R95.2 R96.2 R101.2 R102.2 SW1.B SW1.B' SW2.B SW2.B' TP15.1 U1.12 U2.4 U3.2 U4.2 U4.16 U4.17 U5.1 U5.8 U5.10 U6.1 U6.12 U6.13 U6.29 U7.6 U7.7 U8.6 U8.8 U9.10 U10.5 U10.8 U10.9 U10.15 U11.4 U12.9 U12.25 U13.3 U13.6 U14.2 U14.6 U15.1 U15.2 U15.6 U16.4 U16.5 U16.9 U17.1 U18.47 U18.61 U19.2 U20.3 U21.2 U22.2 U23.2 U24.2 U25.1 U29.2 U30.2 U30.7 U30.10 U30.16 Y1.2 Y1.4
VBatt: D11.1 D14.1 J7.1 J7.3 J8.1 J8.3 J14.1 J14.3 J14.5 J14.7 J14.9 J14.11
VBATT_SENSE: C42.1 D12.2 D14.2 IC6.9 J20.2 J20.4 R71.2 R73.2 R75.1 U15.8
VBUS: C12.1 IC2.3 J12.A4 J12.A9 J12.B4 J12.B9
VBUS_RESET: R42.1 U9.7 U17.2
VBUSP: C19.1 C25.1 R73.1 R83.1 R84.1 R124.1 U10.13 U10.14 U13.2 U15.7 U25.17
/Power Systems/Load Switches/Deploy1_EN: R104.1 U6.3 U6.4
/Power Systems/Load Switches/Deploy2_EN: R103.1 U6.6
/Power Systems/Load Switches/Heater_EN: R100.1 U6.5
/Power Systems/Load Switches/High Power Interstage: U6.20 U6.21 U6.22 U6.23 U25.6 U25.7 U25.8
/Power Systems/Load Switches/ILIM1: R84.2 U25.5
/Power Systems/Load Switches/ILIM2: R83.2 U25.12
/Power Systems/V_RF: C39.2 JP1.1 R63.1 U13.4
/RP2350AHHHHHHHHH/FLASH_SS: R2.2 R9.2 R91.2 U11.1
/RP2350AHHHHHHHHH/QSPI_SCLK: U11.6 U18.56
/RP2350AHHHHHHHHH/QSPI_SD0: U11.5 U18.57
/RP2350AHHHHHHHHH/QSPI_SD1: U11.2 U18.59
/RP2350AHHHHHHHHH/QSPI_SD2: U11.3 U18.58
/RP2350AHHHHHHHHH/QSPI_SD3: U11.7 U18.55
/RP2350AHHHHHHHHH/VREG_AVDD: C68.1 R94.2 U18.46
/RP2350AHHHHHHHHH/VREG_LX: L3.2 U18.48
/RP2350AHHHHHHHHH/XIN: C63.1 U18.21 Y1.1
/RP2350AHHHHHHHHH/XOUT: R93.1 U18.22
/Watchdog Circuit/WDT-VP: R19.2 R20.1 U1.5
B-: J14.2 J14.4 J14.6 J14.8 J14.10 J14.12 J19.1 J19.3 TP4.1
BOOTSEL: R10.1 R91.1 U18.60
DEPLOY1: C54.1 J16.9 J16.10 U6.27 U6.28
DEPLOY1_AUX: C56.1 J23.1 J23.3 U6.25 U6.26
DEPLOY2: C57.1 J24.1 J24.3 U6.17 U6.18
Dir_Chrg_In: D10.2 D11.2 J16.8
ENAB_RF: R89.2 U9.6 U13.1
ENABLE_Heater: R100.2 U9.21
F0_PWR: C44.1 J2.4 U19.6
F0_SCL: J2.6 R44.1 U12.2
F0_SDA: J2.2 R62.1 U12.1
F1_PWR: C48.1 J2.10 U21.6
F1_SCL: J2.8 R45.1 U12.4
F1_SDA: J2.12 R61.1 U12.3
F2_PWR: C51.1 J11.4 U22.6
F2_SCL: J11.6 R53.1 U12.6
F2_SDA: J11.2 R60.1 U12.5
F3_PWR: C55.1 J11.10 U24.6
F3_SCL: J11.8 R56.1 U12.8
F3_SDA: J11.12 R59.1 U12.7
F4_PWR: C52.1 J17.7 J17.8 U23.6
F4_SCL: J17.5 J17.6 R57.1 U12.11
F4_SDA: J17.3 J17.4 R58.1 U12.10
FACE0_ENABLE: R67.2 U9.2 U19.3
FACE1_ENABLE: R68.2 U9.3 U21.3
FACE2_ENABLE: R76.2 U9.4 U22.3
FACE3_ENABLE: R78.2 U9.5 U24.3
FACE4_ENABLE: R77.2 U9.1 U23.3
FC_RESET: J16.2 J22.1 JP6.2 R1.2 SW2.A SW2.A' TP2.1 U18.26
FIRE_DEPLOY1_A: U18.42 U25.4
FIRE_DEPLOY1_B: R104.2 U18.43
FIRE_DEPLOY2_B: R103.2 U9.23
Heater Output: C58.1 J21.1 J21.3 U6.15 U6.16
PAYLOAD_BATT: J18.7 J18.8 U25.9 U25.10 U25.11
PAYLOAD_BATT_ENABLE: U9.24 U25.13
PAYLOAD_PWR: C80.1 J5.2 J18.1 J18.2 U29.6
PAYLOAD_PWR_ENABLE: R79.2 U9.22 U29.3
READONLY: R97.2 U9.27
RF1_ANT: J6.1 U4.1 U5.9
RF1_IO0: TP8.1 U4.6 U5.14 U18.17
RF1_IO4: TP7.1 U4.4 U5.12 U18.16
RF1_RST: U4.14 U5.6 U18.9
RF2_IO0: U18.35 U30.12
RF2_IO1: U9.26 U30.13
RF2_IO2: U9.25 U30.14
RF2_IO3: U18.18 U30.15
RF2_RST: R92.2 U18.28 U30.11
RF2_RX_EN: R96.1 U18.33 U30.8
RF2_TX_EN: R95.1 U18.34 U30.9
RF_VCC: C14.2 JP1.2 U4.5 U5.13 U17.4 U17.8 U20.5
RTC_INT: IC3.2 R5.1 U18.41
RX: D2.2 J3.4 J18.6 U18.3
SCL0: J3.2 J5.4 J16.7 J18.10 R6.1 U18.8
SCL1: IC3.3 R39.1 U7.13 U8.1 U9.12 U12.19 U14.4 U15.4 U16.2 U18.5
SDA0: J3.3 J5.3 J16.5 J18.9 R25.1 U18.7
SDA1: IC3.4 R41.1 U7.14 U8.4 U9.13 U12.20 U14.3 U15.3 U16.1 U18.4
SPI0_CS0: R13.2 U4.13 U5.5 U18.13
SPI0_CS1: U9.8
SPI0_MISO: U4.10 U5.2 U18.12
SPI0_MOSI: U4.11 U5.3 U18.15
SPI0_SCK: U4.12 U5.4 U18.14
SPI1_CS0: R90.1 U18.10 U30.6
SPI1_CS1: R11.1 U2.2 U18.19
SPI1_MISO: U2.6 U18.27 U30.3
SPI1_MOSI: U2.5 U18.31 U30.4
SPI1_SCK: U2.3 U18.29 U30.5
SWCLK: J22.2 U18.24
SWDIO: J22.4 U18.25
TX: D1.2 J3.5 J18.5 R9.1 U18.2
USB_D+: J12.A6 J12.B6 J16.3 R8.2
USB_D-: J12.A7 J12.B7 J16.4 R7.2
USB_DM: R7.1 U18.51
USB_DP: R8.1 U18.52
USBBOOT: D4.1 J16.1 SW1.A SW1.A' TP1.1
V_BACKUP: C17.1 C1017.1 C1018.1 C1019.1 C1020.1 C1021.1 C1022.1 C1023.1 C1024.1 C1025.1 C1026.1 C1027.1 C1028.1 IC3.6 R5.2
V_RBF: J10.2 J10.4 J20.1 J20.3 J29.2 J29.4
VSOLAR: J2.3 J2.9 J11.3 J11.9 J17.11 J17.12 R72.2 U14.8
VSOLAR_I: D9.2 R72.1 U14.7
WDT_BIAS: C28.1 R16.1 R30.1 R36.2 U1.3 U3.6
WDT_ENABLE: R86.2 U3.3 U18.37
WDT_WDI: C20.1 R21.1 U18.36
Z_GPIO0: J17.2
Z_GPIO1: J17.1
~{CHARGE}: IC6.4 R70.2 U9.28
~{GPIO_EXPANDER_RESET}: U9.18 U18.32
~{MUX_RESET}: R15.2 U12.24 U18.40
Net-(C20-Pad2): C20.2 R22.1 R28.1
Net-(C64-Pad1): C64.1 R93.2 Y1.3
Net-(D1-K): D1.1 R4.1
Net-(D2-K): D2.1 R3.1
Net-(D3-A): D3.2 R80.2
Net-(D4-A): D4.2 R10.2
Net-(D5-A): D5.2 J1.2 R97.1
Net-(D5-K): D5.1 R12.1
Net-(D6-A): D6.2 R21.2
Net-(D7-Pad2): D7.2 R33.1
Net-(D10-K): C40.1 D9.1 D10.1 IC6.1 IC6.3 R65.1
Net-(D12-K): C41.2 D12.1 IC6.11
Net-(D13-K): C41.1 D13.1 IC6.12 L2.1
Net-(IC3-EVI): IC3.8 R14.1 TP6.1
Net-(IC6-SENSE): IC6.10 L2.2 R75.2
Net-(IC6-VFB): IC6.7 R71.1 R74.2
Net-(IC6-VIN_REG): IC6.2 R66.2 R69.2
Net-(J10-Pin_1): J7.2 J10.1
Net-(J10-Pin_3): J7.4 J10.3
Net-(J12-CC1): J12.A5 R26.2
Net-(J12-CC2): J12.B5 R27.2
Net-(J29-Pin_1): J8.2 J29.1
Net-(J29-Pin_3): J8.4 J29.3
Net-(JP2-A): JP2.1 U20.4
Net-(JP2-B): JP2.2 R124.2 U10.7
Net-(JP6-A): JP6.1 R37.1 U1.13
Net-(R16-Pad2): R16.2 R17.1 R32.2
Net-(R29-Pad1): R29.1 U1.2
Net-(R31-Pad1): R31.1 U1.1
Net-(R65-Pad2): R65.2 R66.1
Net-(U1A--): R28.2 U1.4
Net-(U1B-+): C21.2 R29.2 R30.2 U1.7
Net-(U1B--): R18.2 R19.1 U1.6
Net-(U1C-+): R32.1 R34.1 U1.9
Net-(U1C--): C22.2 C23.2 R31.2 R33.2 R35.2 U1.8
Net-(U1D-+): D7.1 R34.2 R35.1 R36.1 U1.11 U1.14
Net-(U1D--): C24.2 R17.2 R18.1 U1.10
Net-(U3-ILIM): R23.2 U3.5
Net-(U6-CL): R102.1 U6.11
Net-(U6-DIAG_EN): R101.1 U6.14
Net-(U8-C1): C31.1 U8.5
Net-(U9-A0): R24.2 U9.15 U9.16
Net-(U9-A2): R52.2 U9.17
Net-(U10-PG): R43.1 U10.6
Net-(U10-SS): C36.1 U10.4
Net-(U10-SW1): C27.1 L1.1 U10.10 U10.11
Net-(U10-VBST): C27.2 U10.12
Net-(U10-VFB): R38.1 R40.2 U10.2
Net-(U10-VREG5): C37.1 R43.2 U10.3
Net-(U13-SENSE/ADJ): R63.2 R64.1 U13.5
Net-(U17-CV): C46.1 U17.5
Net-(U17-DIS): C45.1 U17.6 U17.7
Net-(U17-Q): U17.3 U20.2
Net-(U19-ILIM): R46.2 U19.5
Net-(U21-ILIM): R51.2 U21.5
Net-(U22-ILIM): R47.2 U22.5
Net-(U23-ILIM): R48.2 U23.5
Net-(U24-ILIM): R49.2 U24.5
Net-(U25-DIA_EN): R55.1 U25.16
Net-(U25-LATCH): R54.2 U25.3
Net-(U25-SEL1): R85.2 U25.14
Net-(U25-SEL2): R82.2 U25.15
Net-(U25-SNS): R81.1 U25.2
Net-(U29-ILIM): R50.2 U29.5

Pads without a net: H1 1; H2 1; IC3 1; IC6 5 8; J2 13 14; J11 13 14; J12 A8 B8; SW3 3; U2 1 7; U3 4; U4 3 7 8 15; U5 7 11 15 16; U6 2 7 8 9 10 19 24; U7 2 3 4 9 10 11; U8 7 11 12; U9 11 14 19 20; U12 12 13 14 15 16 17; U16 3; U19 4; U20 1; U21 4; U22 4; U23 4; U24 4; U29 4

## Via types
v1: diameter 0.8, hole 0.4, Top to Bottom, 190 vias
v2: diameter 0.6, hole 0.3, Top to Bottom, 130 vias
v3: diameter 0.46, hole 0.2, Top to Bottom, 102 vias
v4: diameter 0.56, hole 0.3, Top to Bottom, 11 vias

## Routing (per net, layer and track width the routed paths; a pad name or vN(x,y) marks a point on that pad's centre or on a via; arc(x,y) is an arc through that point)
3.3V: length 305.9
  Top w0.127: U7.5 47.54,52.67 C35.1 ; v3(42.45,59.08) 42.47,59.09 C33.1 43.27,59.1 U8.2 ; v3(66.66,61.77) 66.36,61.77 ; v3(66.66,61.77) 66.56,61.67 66.36,61.67 ; v3(66.66,61.77) 66.36,61.47 66.36,60.97 ; v3(66.66,61.77) 66.56,61.77 66.36,61.97 ; 66.36,61.77 66.36,61.97 ; 66.36,61.77 66.36,61.67 ; U8.3 U8.2 ; U8.2 U8.9 U8.10 45.78,59.64 C34.1 46.96,60.2 v1(46.76,60.4) ; 66.36,61.97 66.36,62.57 C74.1 ; 66.36,60.97 66.36,60.9 65.34,59.88 65.34,59.8 64.88,59.34 ; 66.36,60.97 66.36,61.67 ; 45.58,55.4 C32.1 45.67,55.49 44.49,55.49 v1(44.15,55.16) 44.15,53.96 U7.12
  Top w0.152: v2(37.04,53.45) 37.16,53.33 R92.1 ; U18.53 64.96,59.09 ; U18.53 65.34,59.25 65.34,59.8 ; U18.53 U18.54 ; 64.96,59.09 64.86,59.09 ; 64.96,59.09 64.96,59.3 U18.54 ; v4(69.24,38.56) 69.36,38.44 C38.1 ; v2(16.16,35.07) 16.16,35.97 v3(16.96,36.78) ; U18.44 66.21,56.57 v2(66.16,56.57) ; U18.44 65.94,56.84 65.94,57.6 U18.49 67.12,58.77 67.16,58.77 ; U18.44 U18.45 ; v3(47.16,52.3) C35.1 ; v3(64.47,54.78) 64.62,54.78 U18.38 66.92,52.48 C77.1 66.92,52.16 v2(66.43,51.67) ; 64.86,59.09 64.86,59.34 U18.54 ; 64.86,59.09 64.58,59.09 v3(64.36,58.86) ; v3(59.96,57.56) 59.96,57.74 U18.11 58.2,59.5 C72.1 ; R1.1 v3(54.66,55.93) ; U7.1 44.2,52.01 v3(44.14,52.08) ; R94.1 v3(71.46,59.37) ; U18.30 62.29,51.42 v3(62.28,51.41) 62.28,50.55 C78.1 ; U7.8 46.11,55.11 C32.1 ; v3(60.18,55.54) 60.09,55.45 59.83,55.45 U18.20 59.08,54.7 57.16,54.7 C71.1 ; C73.1 62.29,62.83 U18.1 62.29,62.17 v3(62.29,62.18)
  Top w0.2: v4(49.43,44.32) 49.43,43.1 U9.9 49.48,41.85 v2(49.81,41.53) ; v4(68.93,10) 68.85,10.07 R80.1 ; U18.45 67.38,55.97 68.66,55.97 ; 71.36,45.57 v1(71.16,45.77)
  Top w0.25: R2.1 66.07,70.36 v1(66.16,70.27) ; R6.2 58.88,67.97 v1(59.36,67.97) ; 70.54,37.46 69.27,37.46 ; 58.71,67.07 58.71,66.92 ; v1(60.64,30.06) 60.8,29.9 63.05,29.9 63.65,30.5 63.65,28.8 C29.2 62.29,28.77 61,30.06 v1(60.64,30.06) ; v1(60.64,30.06) 61.26,29.44 v1(61.26,26.57) 61.26,25.9 64.56,22.6 68.13,22.6 v1(68.46,22.27) ; R59.2 71.73,25.93 71.73,25.41 v2(72.06,25.08) 71.59,25.08 R56.2 ; v4(69.24,38.56) 69.25,38.57 ; U14.1 67.46,35.24 v1(68.52,34.19) ; C30.2 35.11,21.7 U15.5 ; v2(68.91,18.07) 69.41,18.57 R60.2 ; v1(50.96,68.07) 50.96,68.07 U4.9 54.09,68.07 v1(54.09,68.07) ; J16.6 79.78,71.7 77.38,71.7 v1(77.36,71.67) ; 16.51,23.88 16.26,23.88 17.54,23.88 C50.1 18.38,23.89 v1(18.46,23.97) ; v1(74.66,69.07) 73.98,69.75 C2.1 72.02,69.75 U11.8 ; R56.2 R53.2 ; R56.2 69.76,23.57 v1(68.46,22.27) ; 70.08,22.57 69.58,22.07 68.66,22.07 v1(68.46,22.27)
  Top w0.3: IC3.7 v1(52.76,19.67) ; JP1.3 31.96,33.87 v3(31.86,33.77) 31.27,33.77 v1(30.55,33.05)
  Top w0.342: R90.2 v1(24.16,60.82)
  Top w0.4: v1(47.11,27.19) 47.11,25.7 R14.2 49.63,23.17 50.06,23.17 51.36,21.87 51.36,21.09 52.48,19.97 52.76,19.97 v1(52.76,19.67) ; v2(69.86,55.24) 69.99,55.37 C75.1 ; C75.1 70.61,56.59 v2(70.56,56.64) ; C75.1 69.26,55.37 68.66,55.97 ; v3(48.36,52.67) 47.64,52.67 C35.1
  Top w0.5: v1(38.31,63.42) 38.23,63.35 37.16,63.35 ; R25.2 58.68,67.3 v1(59.36,67.97) ; R25.2 57.47,65.67 v1(57.47,65.17) R39.2 57.71,64.16 R41.2 58.69,66.87 R25.2 ; v2(64.06,40.51) 64.18,40.64 C26.1 64.17,41.27 62.98,41.27 ; v1(29.41,55.57) 28.84,56.14 U30.1 28.47,56.14 v1(29.41,57.07)
  In2.Cu w0.152: v3(62.28,51.41) 62.81,51.95 62.81,53.73 62.42,54.13 ; 62.42,54.13 63.82,54.13 v3(64.47,54.78) ; 62.42,54.13 61.01,55.54 v3(60.18,55.54) ; v3(47.16,52.3) 46.97,52.3 46.86,52.18 44.22,52.18 44.14,52.1 v3(44.14,52.08) ; v3(60.18,55.54) 59.41,54.77 53.15,54.77 v3(52.56,54.17) ; v3(60.18,55.54) 60.18,57.05 59.96,57.27 v3(59.96,57.56)
  In2.Cu w0.25: v1(60.64,30.06) 60.8,29.9 67.77,29.9 68.87,31 68.87,32.33 68.23,32.97 68.23,33.9 v1(68.52,34.19)
  In2.Cu w0.4: v1(54.76,42.48) 57.46,45.18 61.43,45.18 62.43,44.18 67.03,44.18 v1(67.35,44.5)
  Bottom w0.152: v3(60.18,55.54) 59.41,54.77 54.92,54.77 ; C76.1 66.24,56.57 v2(66.16,56.57) ; v3(52.56,54.17) 53.34,53.4 53.34,53.18 54.92,54.77 ; v3(17.96,37.67) 17.86,37.67 v3(16.96,36.78) ; 54.92,54.77 54.66,55.03 v3(54.66,55.93)
  Bottom w0.2: U16.8 43.88,55.44 v1(44.15,55.16) ; v1(41.51,44.67) 41.51,45.03 42.76,46.27 47.48,46.27 v4(49.43,44.32) 49.43,41.9 v2(49.81,41.53) 49.81,41.01 ; v1(70.06,29.17) 70.66,29.78 U12.18 ; R89.1 v2(35.96,39.95)
  Bottom w0.25: 70.73,22.85 69.5,22.85 C53.1 69.1,22.92 v1(68.46,22.27) ; v2(49.81,41.53) 49.81,36.33 51.96,34.18 51.96,31.58 51.66,31.27 50.36,31.27 v1(50.26,31.37) ; R62.2 74.41,39.82 75.29,38.95 v4(75.29,37.73) 75.16,37.6 75.16,36.9 ; C16.2 49.31,30.43 v1(50.26,31.37) ; C16.2 49.19,27.95 R38.2 47.79,29.38 v1(48.16,29.75) ; C16.2 49.31,31.32 v1(49.26,31.37) v1(50.26,31.37) ; U22.1 69.94,18.12 C49.1 68.93,18.09 v2(68.91,18.07) ; v1(69.96,67.47) 70.43,67.47 70.88,67.93 U29.1 71.83,68.67 72.02,68.49 ; v1(68.52,34.19) 69.82,34.19 R15.1 71.06,32.95 71.06,32.53 U12.22 ; v3(27.06,29.29) R42.2 26.58,30.25 v3(26.06,30.77) ; v1(50.26,31.37) 48.63,29.75 v1(48.16,29.75) ; U12.22 U12.21 ; U12.22 U12.23 ; v1(48.16,29.75) 48.16,30.85 ; v1(61.26,26.57) 61.17,26.67 R70.1 ; U16.6 U16.7 ; U16.7 U16.8 43.23,57.27 42.96,57.55 42.58,57.17 U16.7 ; 72.17,44.3 72.14,44.33 C47.1 71.23,45.7 v1(71.16,45.77) ; v1(50.55,48.49) 51.24,49.17 R11.2 ; R45.2 78.48,41.57 R61.2 v1(78.41,40.57) 78.41,42 R45.2
  Bottom w0.3: C15.2 R38.2 ; v1(52.76,19.67) C18.1
  Bottom w0.4: v1(54.76,42.48) 54.16,41.88 54.16,38.79 U2.8 53.67,39.25 51.58,39.25 49.81,41.02 v2(49.81,41.53) ; R38.2 47.11,27.27 v1(47.11,27.19) ; v1(47.11,27.19) 46.29,26.37 U10.1 45.75,27.61 C15.2 46.84,27.19 v1(47.11,27.19) ; L1.2 35.49,23.24 v4(35.46,23.27) ; v3(52.56,54.17) 49.86,54.17 v3(48.36,52.67)
  vias: v1(41.96,31.87) v1(42.96,33.87) v1(43.06,31.37)
